# Altium PCB PCB1.PcbDoc (part 3 of 5) (continued)
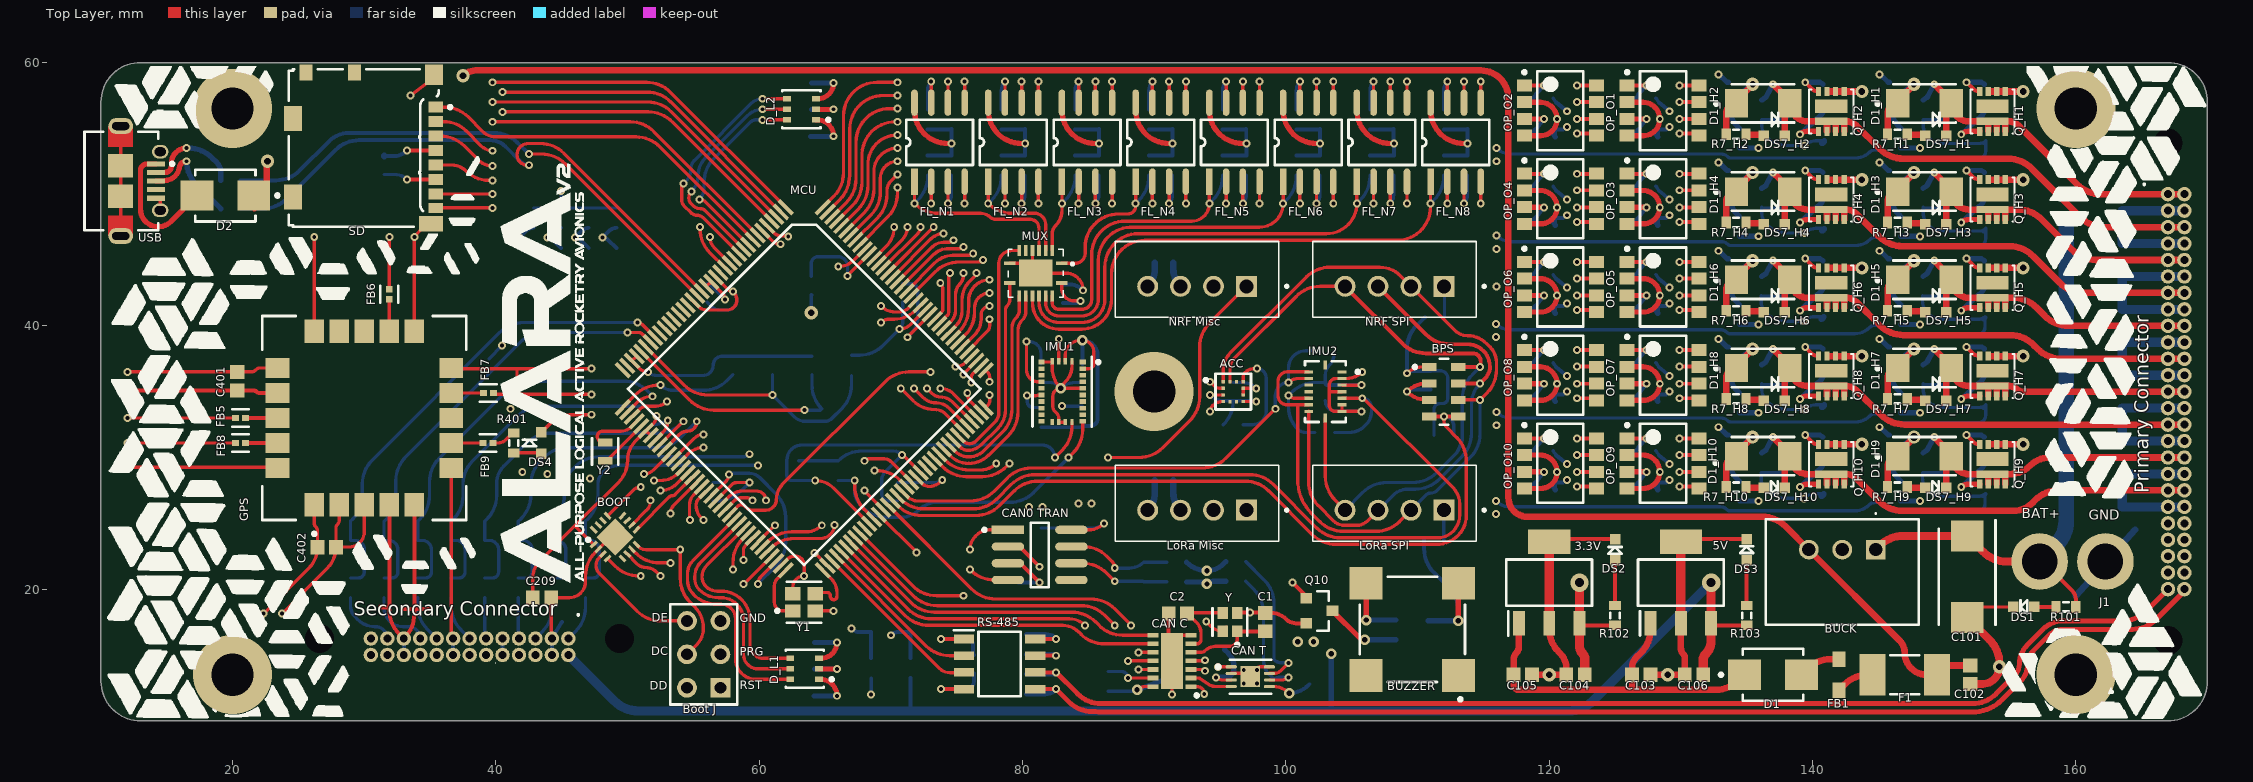
[diagram p0: Top Layer view]
## Nets (pads, with @x,y where several pads share a name; then routed paths per layer and width w, separated by ;. In a path a pad name is that pad's centre, name@x,y a point inside that pad or via, vN(x,y) a via of type N, cw(c..) or ccw(c..) an arc to the next point about the centre after c; other vN are vias at no path point) (continued)
  Top Layer w0.5: v1(137,58.35) 137.52,57.83 137.535,57.83 138.275,57.09 D1_H2.2@138.275,56.9 ; DS7_H2.1@137.9,54.5 137.9,56.525 cw(c138.275,56.525) D1_H2.2@138.275,56.9 ; Q_H2.2@141.1,54.777 141.1,55.403 Q_H2.10@141.229,55.532 ; Q_H2.3@141.75,54.777 141.75,55.403 Q_H2.10@141.621,55.532 ; Q_H2.4@142.4,54.777 142.4,55.403 142.271,55.532 ccw(c142.216,52.992) Q_H2.10@142.224,55.532 ; 168.25,47.5 167,47.5 162.152,47.5 cw(c162.152,50.04) 160.356,48.244 156.644,51.956 ccw(c154.848,50.16) 154.848,52.7 146.902,52.7 cw(c146.902,55.24) 145.106,53.444 143.35,55.2 ccw(c142.548,54.398) 142.548,55.532 Q_H2.10@142.224,55.532 ; D1_H2.2@138.275,56.9 ccw(c139.643,56.9) 139.643,55.532 Q_H2.10@141.229,55.532 ; Q_H2.10@141.229,55.532 Q_H2.10@141.425,55.532 Q_H2.10@141.621,55.532 ; Q_H2.10@141.621,55.532 Q_H2.10@142.224,55.532
  Bottom Layer w0.4: R8_H2.2@136.15,57.15 136.45,57.35 v1(137,58.35)
"HPO D3": "Primary Connector.5" "Primary Connector.30" D1_H3.2 DS7_H3.1 Q_H3.2 Q_H3.3 Q_H3.4 Q_H3.10 R8_H3.2 | length 29.2
  Top Layer w0.5: v1(149.25,51.65) 149.77,51.13 149.785,51.13 150.525,50.39 D1_H3.2@150.525,50.2 ; DS7_H3.1@150.15,47.8 150.15,49.825 cw(c150.525,49.825) D1_H3.2@150.525,50.2 ; Q_H3.2@153.35,48.077 153.35,48.703 Q_H3.10@153.479,48.832 ; Q_H3.3@154,48.077 154,48.703 Q_H3.10@153.871,48.832 ; Q_H3.10@154.644,48.862 Q_H3.10@153.675,48.832 ; Q_H3.4@154.65,48.077 Q_H3.10@154.65,48.703 ; 168.25,45 167,45 161.552,45 cw(c161.552,47.54) 159.756,45.744 157.412,48.088 ccw(c155.616,46.292) 155.616,48.832 Q_H3.10@153.871,48.832 ; D1_H3.2@150.525,50.2 ccw(c151.893,50.2) 151.893,48.832 Q_H3.10@153.479,48.832 ; Q_H3.10@153.479,48.832 Q_H3.10@153.675,48.832 ; Q_H3.10@153.675,48.832 Q_H3.10@153.871,48.832
  Bottom Layer w0.4: R8_H3.2@148.4,50.45 148.7,50.65 v1(149.25,51.65)
"HPO D4": "Primary Connector.7" "Primary Connector.32" D1_H4.2 DS7_H4.1 Q_H4.2 Q_H4.3 Q_H4.4 Q_H4.10 R8_H4.2 | length 41.6
  Top Layer w0.5: v1(137,51.65) 137.52,51.13 137.535,51.13 138.275,50.39 D1_H4.2@138.275,50.2 ; DS7_H4.1@137.9,47.8 137.9,49.825 cw(c138.275,49.825) D1_H4.2@138.275,50.2 ; Q_H4.2@141.1,48.077 141.1,48.703 Q_H4.10@141.229,48.832 ; Q_H4.3@141.75,48.077 141.75,48.703 Q_H4.10@141.621,48.832 ; Q_H4.4@142.4,48.077 142.4,48.703 142.271,48.832 ccw(c142.216,46.292) Q_H4.10@142.224,48.832 ; 168.25,42.5 167,42.5 160.602,42.5 cw(c160.602,45.04) 158.806,43.244 156.744,45.306 ccw(c154.948,43.51) 154.948,46.05 146.852,46.05 cw(c146.852,48.59) 145.056,46.794 143.35,48.5 ccw(c142.548,47.698) 142.548,48.832 Q_H4.10@142.224,48.832 ; D1_H4.2@138.275,50.2 ccw(c139.643,50.2) 139.643,48.832 Q_H4.10@141.229,48.832 ; Q_H4.10@141.229,48.832 Q_H4.10@141.425,48.832 Q_H4.10@141.621,48.832 ; Q_H4.10@141.621,48.832 Q_H4.10@142.224,48.832
  Bottom Layer w0.4: R8_H4.2@136.15,50.45 136.45,50.65 v1(137,51.65)
"HPO D5": "Primary Connector.9" "Primary Connector.34" D1_H5.2 DS7_H5.1 Q_H5.2 Q_H5.3 Q_H5.4 Q_H5.10 R8_H5.2 | length 27.5
  Top Layer w0.5: v1(149.25,44.95) 149.77,44.43 149.785,44.43 150.525,43.69 D1_H5.2@150.525,43.5 ; DS7_H5.1@150.15,41.1 150.15,43.125 cw(c150.525,43.125) D1_H5.2@150.525,43.5 ; Q_H5.2@153.35,41.377 153.35,42.003 Q_H5.10@153.479,42.132 ; Q_H5.3@154,41.377 154,42.003 Q_H5.10@153.871,42.132 ; Q_H5.4@154.65,41.377 Q_H5.10@154.65,42.003 ; 168.25,40 167,40 159.452,40 cw(c159.452,42.54) 157.656,40.744 157.012,41.388 ccw(c155.216,39.592) 155.216,42.132 Q_H5.10@153.871,42.132 ; D1_H5.2@150.525,43.5 ccw(c151.893,43.5) 151.893,42.132 Q_H5.10@153.479,42.132 ; Q_H5.10@153.479,42.132 Q_H5.10@153.675,42.132 Q_H5.10@153.871,42.132
  Bottom Layer w0.4: R8_H5.2@148.4,43.75 148.7,43.95 v1(149.25,44.95)
"HPO D6": "Primary Connector.11" "Primary Connector.36" D1_H6.2 DS7_H6.1 Q_H6.2 Q_H6.3 Q_H6.4 Q_H6.10 R8_H6.2 | length 40.9
  Top Layer w0.5: v1(137,44.95) 137.52,44.43 137.535,44.43 138.275,43.69 D1_H6.2@138.275,43.5 ; DS7_H6.1@137.9,41.1 137.9,43.125 cw(c138.275,43.125) D1_H6.2@138.275,43.5 ; Q_H6.2@141.1,41.377 141.1,42.003 Q_H6.10@141.229,42.132 ; Q_H6.3@141.75,41.377 141.75,42.003 Q_H6.10@141.621,42.132 ; Q_H6.4@142.4,41.377 142.4,42.003 142.271,42.132 ccw(c142.216,39.592) Q_H6.10@142.224,42.132 ; 168.25,37.5 167,37.5 158.902,37.5 cw(c158.902,40.04) 157.106,38.244 156.794,38.556 ccw(c154.998,36.76) 154.998,39.3 146.902,39.3 cw(c146.902,41.84) 145.106,40.044 143.35,41.8 ccw(c142.548,40.998) 142.548,42.132 Q_H6.10@142.224,42.132 ; D1_H6.2@138.275,43.5 ccw(c139.643,43.5) 139.643,42.132 Q_H6.10@141.229,42.132 ; Q_H6.10@141.229,42.132 Q_H6.10@141.425,42.132 Q_H6.10@141.621,42.132 ; Q_H6.10@141.621,42.132 Q_H6.10@142.224,42.132
  Bottom Layer w0.4: R8_H6.2@136.15,43.75 136.45,43.95 v1(137,44.95)
"HPO D7": "Primary Connector.13" "Primary Connector.38" D1_H7.2 DS7_H7.1 Q_H7.2 Q_H7.3 Q_H7.4 Q_H7.10 R8_H7.2 | length 27.2
  Top Layer w0.5: v1(149.25,38.25) 149.77,37.73 149.785,37.73 150.525,36.99 D1_H7.2@150.525,36.8 ; DS7_H7.1@150.15,34.4 150.15,36.425 cw(c150.525,36.425) D1_H7.2@150.525,36.8 ; Q_H7.2@153.35,34.677 153.35,35.303 Q_H7.10@153.479,35.432 ; Q_H7.3@154,34.677 154,35.303 Q_H7.10@153.871,35.432 ; Q_H7.4@154.65,34.677 154.65,35.303 154.521,35.432 ccw(c154.466,32.892) Q_H7.10@154.474,35.432 ; 168.25,35 167,35 155.983,35 cw(c155.983,35.683) 155.5,35.2 ccw(c154.939,34.639) 154.939,35.432 Q_H7.10@154.474,35.432 ; D1_H7.2@150.525,36.8 ccw(c151.893,36.8) 151.893,35.432 Q_H7.10@153.479,35.432 ; Q_H7.10@153.479,35.432 Q_H7.10@153.675,35.432 Q_H7.10@153.871,35.432 ; Q_H7.10@153.871,35.432 Q_H7.10@154.474,35.432
  Bottom Layer w0.4: R8_H7.2@148.4,37.05 148.7,37.25 v1(149.25,38.25)
"HPO D8": "Primary Connector.15" "Primary Connector.40" D1_H8.2 DS7_H8.1 Q_H8.2 Q_H8.3 Q_H8.4 Q_H8.10 R8_H8.2 | length 40.4
  Top Layer w0.5: v1(137,38.25) 137.52,37.73 137.535,37.73 138.275,36.99 D1_H8.2@138.275,36.8 ; DS7_H8.1@137.9,34.4 137.9,36.425 cw(c138.275,36.425) D1_H8.2@138.275,36.8 ; Q_H8.2@141.1,34.677 141.1,35.303 Q_H8.10@141.229,35.432 ; Q_H8.3@141.75,34.677 141.75,35.303 Q_H8.10@141.621,35.432 ; Q_H8.4@142.4,34.677 142.4,35.303 142.271,35.432 ccw(c142.216,32.892) Q_H8.10@142.224,35.432 ; 168.25,32.5 167,32.5 147.002,32.5 cw(c147.002,35.04) 145.206,33.244 143.35,35.1 ccw(c142.548,34.298) 142.548,35.432 Q_H8.10@142.224,35.432 ; D1_H8.2@138.275,36.8 ccw(c139.643,36.8) 139.643,35.432 Q_H8.10@141.229,35.432 ; Q_H8.10@141.229,35.432 Q_H8.10@141.425,35.432 Q_H8.10@141.621,35.432 ; Q_H8.10@141.621,35.432 Q_H8.10@142.224,35.432
  Bottom Layer w0.4: R8_H8.2@136.15,37.05 136.45,37.25 v1(137,38.25)
"HPO D9": "Primary Connector.17" "Primary Connector.42" D1_H9.2 DS7_H9.1 Q_H9.2 Q_H9.3 Q_H9.4 Q_H9.10 R8_H9.2 | length 27.4
  Top Layer w0.5: v1(149.25,31.55) 149.77,31.03 149.785,31.03 150.525,30.29 D1_H9.2@150.525,30.1 ; DS7_H9.1@150.15,27.7 150.15,29.725 cw(c150.525,29.725) D1_H9.2@150.525,30.1 ; Q_H9.2@153.35,27.977 153.35,28.603 Q_H9.10@153.479,28.732 ; Q_H9.3@154,27.977 154,28.603 Q_H9.10@153.871,28.732 ; Q_H9.4@154.65,27.977 154.65,28.603 154.521,28.732 ccw(c154.466,26.192) Q_H9.10@154.474,28.732 ; 168.25,30 167,30 157.999,30 ccw(c157.999,27.951) 156.55,29.4 cw(c154.938,31.012) 154.938,28.732 Q_H9.10@154.474,28.732 ; D1_H9.2@150.525,30.1 ccw(c151.893,30.1) 151.893,28.732 Q_H9.10@153.479,28.732 ; Q_H9.10@153.479,28.732 Q_H9.10@153.675,28.732 Q_H9.10@153.871,28.732 ; Q_H9.10@153.871,28.732 Q_H9.10@154.474,28.732
  Bottom Layer w0.4: R8_H9.2@148.4,30.35 148.7,30.55 v1(149.25,31.55)
"HPO D10": "Primary Connector.19" "Primary Connector.44" D1_H10.2 DS7_H10.1 Q_H10.2 Q_H10.3 Q_H10.4 Q_H10.10 R8_H10.2 | length 40.8
  Top Layer w0.5: v1(137,31.55) 137.52,31.03 137.535,31.03 138.275,30.29 D1_H10.2@138.275,30.1 ; DS7_H10.1@137.9,27.7 137.9,29.725 cw(c138.275,29.725) D1_H10.2@138.275,30.1 ; Q_H10.2@141.1,27.977 141.1,28.603 Q_H10.10@141.229,28.732 ; Q_H10.3@141.75,27.977 141.75,28.603 Q_H10.10@141.621,28.732 ; Q_H10.4@142.4,27.977 142.4,28.603 142.271,28.732 ccw(c142.216,26.192) Q_H10.10@142.224,28.732 ; 168.25,27.5 167,27.5 158.702,27.5 ccw(c158.702,24.96) 156.906,26.756 156.7,26.55 cw(c155.251,27.999) 155.251,25.95 146.852,25.95 cw(c146.852,28.49) 145.056,26.694 143.35,28.4 ccw(c142.548,27.598) 142.548,28.732 Q_H10.10@142.224,28.732 ; D1_H10.2@138.275,30.1 ccw(c139.643,30.1) 139.643,28.732 Q_H10.10@141.229,28.732 ; Q_H10.10@141.229,28.732 Q_H10.10@141.425,28.732 Q_H10.10@141.621,28.732 ; Q_H10.10@141.621,28.732 Q_H10.10@142.224,28.732
  Bottom Layer w0.4: R8_H10.2@136.15,30.35 136.45,30.55 v1(137,31.55)
"HPO DIG1": MCU.144 R2_O1.2 | length 75.6
  Top Layer w0.254: MCU.144@64.828,49 65.656,49.828 ccw(c63.86,51.624) 66.4,51.624 66.4,55.96 cw(c68.94,55.96) 68.94,58.5 v1(70.5,58.5)
  Layer 1 w0.254: v1(70.5,58.5) 70.756,58.756 cw(c72.552,56.96) 72.552,59.5 126.61,59.5 cw(c126.61,56.96) 129.15,56.96 v1(129.15,56.3)
  Bottom Layer w0.254: R2_O1.2@128.1,57.3 R2_O1.2@128.323,56.977
  Bottom Layer w0.3: R2_O1.2@128.323,56.977 v1(129.15,56.3)
"HPO DIG2": MCU.143 R2_O2.2 | length 64.7
  Top Layer w0.254: MCU.143@65.182,48.646 66.106,49.571 ccw(c64.31,51.367) 66.841,51.158 cw(c67.095,51.136) 66.843,51.173 ccw(c63.86,51.624) 66.877,51.624 66.877,54.96 cw(c69.417,54.96) 69.417,57.5 v1(70.5,57.5)
  Layer 1 w0.254: v1(70.5,57.5) cw(c71.104,56.896) 71.104,57.75 114.752,57.75 cw(c114.752,55.702) 116.2,57.15 ccw(c117.649,58.599) 117.649,56.55 120.746,56.55 cw(c120.746,55.696) v1(121.35,56.3)
  Bottom Layer w0.254: R2_O2.2@120.3,57.3 R2_O2.2@120.523,56.977
  Bottom Layer w0.3: R2_O2.2@120.523,56.977 v1(121.35,56.3)
"HPO DIG3": MCU.142 R2_O3.2 | length 77.3
  Top Layer w0.254: MCU.142@65.536,48.293 66.606,49.363 ccw(c64.81,51.159) 67.35,51.159 67.35,53.96 cw(c69.89,53.96) 69.89,56.5 v1(70.5,56.5)
  Layer 1 w0.254: v1(70.5,56.5) 70.506,56.506 cw(c72.302,54.71) 72.302,57.25 112.057,57.25 cw(c112.057,54.817) 113.778,56.537 114.381,55.934 cw(c112.644,54.198) 115.1,54.198 115.1,52.5 ccw(c115.85,52.5) 115.85,51.75 117.464,51.75 ccw(c117.464,53.286) 118.55,52.2 cw(c119.274,51.476) 119.274,52.5 127.4,52.5 cw(c127.4,50.75) 129.15,50.75 v1(129.15,49.6)
  Bottom Layer w0.254: R2_O3.2@128.1,50.6 R2_O3.2@128.323,50.277
  Bottom Layer w0.3: R2_O3.2@128.323,50.277 v1(129.15,49.6)
"HPO DIG4": MCU.141 R2_O4.2 | length 67.7
  Top Layer w0.254: MCU.141@66.33,48.38 MCU.141@65.889,47.939 67.06,49.11 ccw(c65.264,50.906) 67.804,50.906 67.804,53.096 cw(c68.058,53.095) 67.804,53.109 cw(c70.34,52.96) 70.34,55.5 v1(70.5,55.5)
  Layer 1 w0.254: v1(70.5,55.5) 71.052,56.052 cw(c72.848,54.256) 72.848,56.796 112.055,56.796 cw(c112.055,56.542) 112.09,56.794 112.555,56.73 cw(c112.521,56.478) 112.629,56.708 cw(c111.548,54.41) 113.345,56.205 113.394,56.156 113.964,55.586 cw(c112.427,54.05) 114.6,54.05 114.6,52.4 ccw(c116.4,52.4) 116.4,50.6 117.002,50.6 119.55,50.6 cw(c119.55,48.669) 120.916,50.034 v1(121.35,49.6)
  Bottom Layer w0.254: R2_O4.2@120.3,50.6 R2_O4.2@120.523,50.277
  Bottom Layer w0.3: R2_O4.2@120.523,50.277 v1(121.35,49.6)
"HPO DIG5": MCU.140 R2_O5.2 | length 78.6
  Top Layer w0.254: MCU.140@66.243,47.586 66.68,48.03 67.514,48.864 ccw(c65.718,50.66) 68.258,50.66 68.258,52.43 cw(c68.512,52.429) 68.259,52.45 cw(c70.5,52.25) v1(70.5,54.5)
  Layer 1 w0.254: v1(70.5,54.5) 71.575,55.575 cw(c73.371,53.779) 73.371,56.319 106.093,56.319 cw(c106.093,54.017) 107.72,55.645 108.19,55.175 109.356,54.009 cw(c107.56,52.213) 110.1,52.213 110.1,49.5 ccw(c111.05,49.5) 111.05,48.55 cw(c111.05,46.377) 112.586,47.914 114.993,45.507 ccw(c116.7,47.214) 116.7,44.8 117.205,44.8 ccw(c117.205,45.995) 118.05,45.15 cw(c119.257,43.943) 119.257,45.65 127.4,45.65 cw(c127.4,43.9) 129.15,43.9 v1(129.15,42.9)
  Bottom Layer w0.254: R2_O5.2@128.1,43.9 R2_O5.2@128.323,43.577
  Bottom Layer w0.3: R2_O5.2@128.323,43.577 v1(129.15,42.9)
"HPO DIG6": MCU.139 R2_O6.2 | length 68.4
  Top Layer w0.254: MCU.139@66.596,47.232 67.968,48.604 ccw(c66.172,50.4) 68.712,50.4 68.712,51.907 68.714,51.923 cw(c70.5,51.7) v1(70.5,53.5)
  Layer 1 w0.254: v1(70.5,53.5) 72.121,55.121 cw(c73.917,53.325) 73.917,55.865 100.781,55.865 cw(c100.781,53.44) 102.495,55.155 103.1,54.55 103.856,53.794 cw(c102.06,51.998) 104.6,51.998 104.6,49.4 ccw(c106,49.4) 106,48 110.698,48 cw(c110.698,45.46) 112.494,47.256 114.806,44.944 ccw(c116.602,46.74) 116.602,44.2 118.998,44.2 cw(c118.998,41.66) 120.794,43.456 v1(121.35,42.9)
  Bottom Layer w0.254: R2_O6.2@120.3,43.9 R2_O6.2@120.523,43.577
  Bottom Layer w0.3: R2_O6.2@120.523,43.577 v1(121.35,42.9)
"HPO DIG7": MCU.138 R2_O7.2 | length 82.9
  Top Layer w0.254: MCU.138@66.95,46.879 68.456,48.385 ccw(c66.66,50.181) 69.2,50.181 69.2,51.2 cw(c70.5,51.2) v1(70.5,52.5)
  Layer 1 w0.254: v1(70.5,52.5) 72.667,54.667 cw(c74.463,52.871) 74.463,55.411 95.692,55.411 cw(c95.692,53.004) 97.394,54.706 98.156,53.944 cw(c96.36,52.148) 98.9,52.148 98.9,49.3 ccw(c100.75,49.3) 100.75,47.45 110.498,47.45 cw(c110.498,44.91) 112.294,46.706 114.506,44.494 cw(c112.71,42.698) 115.25,42.698 115.25,38.9 ccw(c116.1,38.9) 116.1,38.05 117.205,38.05 ccw(c117.205,39.245) 118.05,38.4 cw(c119.257,37.193) 119.257,38.9 127.35,38.9 cw(c127.35,37.1) 129.15,37.1 v1(129.15,36.2)
  Bottom Layer w0.254: R2_O7.2@128.1,37.2 R2_O7.2@128.323,36.877
  Bottom Layer w0.3: R2_O7.2@128.323,36.877 v1(129.15,36.2)
"HPO DIG8": MCU.137 R2_O8.2 | length 72.7
  Top Layer w0.254: MCU.137@67.303,46.525 68.956,48.178 ccw(c67.16,49.974) 69.7,49.974 69.7,50.3 cw(c70.666,50.3) 69.983,50.983 v1(70.5,51.5)
  Layer 1 w0.254: v1(70.5,51.5) 73.156,54.156 cw(c74.952,52.36) 74.952,54.9 90.548,54.9 cw(c90.548,52.36) 92.344,54.156 92.556,53.944 cw(c90.76,52.148) 93.3,52.148 93.3,49.15 ccw(c95.55,49.15) 95.55,46.9 110.341,46.9 cw(c110.341,44.36) 112.137,46.156 112.921,45.371 114.149,44.144 cw(c112.71,42.698) 114.7,43.146 cw(c114.407,43.081) 114.701,43.14 cw(c112.21,42.646) 114.75,42.646 114.75,39 ccw(c116.802,39) 115.351,37.549 115.506,37.394 ccw(c117.302,39.19) 117.302,36.65 120.264,36.65 cw(c120.264,35.114) v1(121.35,36.2)
  Bottom Layer w0.254: R2_O8.2@120.3,37.2 R2_O8.2@120.523,36.877
  Bottom Layer w0.3: R2_O8.2@120.523,36.877 v1(121.35,36.2)
"HPO DIG9": MCU.126 R2_O9.2 | length 70.9
  Top Layer w0.254: MCU.126@71.192,42.636 73.345,44.789 cw(c74.7,43.434) 74.7,45.35 75.888,45.35 ccw(c75.888,45.862) v1(76.25,45.5)
  Layer 1 w0.254: v1(76.25,45.5) 76.406,45.656 cw(c78.202,43.86) 78.202,46.4 97.448,46.4 cw(c97.448,43.86) 99.244,45.656 107.55,37.35 cw(c106.222,36.022) 108.1,36.022 108.1,34.278 ccw(c109.978,34.278) 108.65,32.95 109.206,32.394 ccw(c111.002,34.19) 111.002,31.65 117.784,31.65 ccw(c117.784,33.016) 118.75,32.05 118.756,32.056 cw(c120.552,30.26) 120.552,32.8 126.61,32.8 cw(c126.61,30.26) 129.15,30.26 v1(129.15,29.5)
  Bottom Layer w0.254: R2_O9.2@128.1,30.5 R2_O9.2@128.323,30.177
  Bottom Layer w0.3: R2_O9.2@128.323,30.177 v1(129.15,29.5)
"HPO DIG10": MCU.125 R2_O10.2 | length 60.7
  Top Layer w0.254: MCU.125@71.546,42.283 73.369,44.106 cw(c75.166,42.31) 75.166,44.85 76.638,44.85 ccw(c76.638,45.362) v1(77,45)
  Layer 1 w0.254: v1(77,45) 77.081,45.081 cw(c78.877,43.285) 78.877,45.825 97.039,45.825 cw(c97.039,43.285) 98.835,45.081 106.656,37.26 cw(c104.86,35.464) 107.4,35.464 107.4,34.252 ccw(c109.94,34.252) 108.144,32.456 110.106,30.494 ccw(c111.902,32.29) 111.902,29.75 120.746,29.75 cw(c120.746,28.896) v1(121.35,29.5)
  Bottom Layer w0.254: R2_O10.2@120.3,30.5 R2_O10.2@120.523,30.177
  Bottom Layer w0.3: R2_O10.2@120.523,30.177 v1(121.35,29.5)
"HPO PWM1": MCU.136 R1_O1.2 | length 70.9
  Top Layer w0.254: MCU.136@67.657,46.172 69.756,48.271 ccw(c67.96,50.067) 70.5,50.067 v1(70.5,50.5)
  Top Middle Layer w0.254: v1(70.5,50.5) 108.248,50.5 ccw(c108.248,53.04) 110.044,51.244 116.956,58.156 cw(c118.752,56.36) 118.752,58.9 122.1,58.9 cw(c122.1,57.451) 123.124,58.476 126.256,55.344 ccw(c128.052,57.14) 128.052,54.6 128.25,54.6 ccw(c128.25,55.566) 128.933,54.883 v1(129.15,55.1)
  Bottom Layer w0.3: R1_O1.2@128.25,54.35 128.25,54.85 128.3,54.9 128.869,54.9 129.069,55.1 v1(129.15,55.1)
  Bottom Layer w0.4: R1_O1.2@128.1,54.6 R1_O1.2@128.25,54.35
"HPO PWM2": MCU.131 R1_O2.2 | length 59
  Top Layer w0.254: MCU.131@69.425,44.404 72.059,47.038 ccw(c71.596,47.5) v1(72.25,47.5)
  Top Middle Layer w0.254: v1(72.25,47.5) cw(c73.3,47.5) 73.3,48.55 109.5,48.55 ccw(c109.5,49.3) 110.25,49.3 110.25,49.584 cw(c111.616,49.584) 110.65,50.55 cw(c111.495,49.705) 111.495,50.9 111.7,50.9 ccw(c111.7,51.866) 112.383,51.183 115,53.8 cw(c115.966,52.834) 115.966,54.2 120.45,54.2 ccw(c120.45,55.1) v1(121.35,55.1)
  Bottom Layer w0.3: R1_O2.2@120.45,54.35 120.45,54.85 120.5,54.9 121.069,54.9 121.269,55.1 v1(121.35,55.1)
  Bottom Layer w0.4: R1_O2.2@120.3,54.6 R1_O2.2@120.45,54.35
"HPO PWM3": MCU.130 R1_O3.2 | length 65.9
  Top Layer w0.254: MCU.130@69.778,44.05 73.212,47.484 cw(c73.25,47.447) v1(73.25,47.5)
  Top Middle Layer w0.254: v1(73.25,47.5) cw(c74.578,46.172) 74.578,48.05 114.098,48.05 ccw(c114.098,50.59) 115.894,48.794 118.9,51.8 119.193,52.056 ; 119.193,52.056 cw(c119.389,51.829) 119.205,52.066 cw(c119.6,51.55) 119.519,52.195 ccw(c119.48,52.492) 119.553,52.202 cw(c119.936,50.714) 119.936,52.25 122.1,52.25 cw(c122.1,50.319) 123.466,51.684 126.44,48.71 ccw(c127.55,49.819) 127.55,48.25 128.788,48.25 ccw(c128.788,48.762) v1(129.15,48.4)
  Bottom Layer w0.3: R1_O3.2@128.25,47.65 128.25,48.15 128.3,48.2 128.869,48.2 129.069,48.4 v1(129.15,48.4)
  Bottom Layer w0.4: R1_O3.2@128.1,47.9 R1_O3.2@128.25,47.65
"HPO PWM4": MCU.129 R1_O4.2 | length 54.7
  Top Layer w0.254: MCU.129@70.132,43.697 73.035,46.6 cw(c74,45.636) v1(74,47)
  Top Middle Layer w0.254: v1(74,47) cw(c75.439,45.561) 75.439,47.596 114.098,47.596 ccw(c114.098,50.59) 114.245,47.6 cw(c114.259,47.346) 114.258,47.6 119.5,47.6 ccw(c119.498,50.14) 121.294,48.344 v1(121.35,48.4)
  Bottom Layer w0.3: R1_O4.2@120.45,47.65 120.45,48.15 120.5,48.2 121.069,48.2 121.269,48.4 v1(121.35,48.4)
  Bottom Layer w0.4: R1_O4.2@120.3,47.9 R1_O4.2@120.45,47.65
"HPO PWM5": MCU.127 R1_O5.2 | length 64.1
  Top Layer w0.254: MCU.127@70.839,42.99 73.31,45.461 cw(c74.25,44.52) 74.25,45.85 75.138,45.85 ccw(c75.138,46.362) v1(75.5,46)
  Top Middle Layer w0.254: v1(75.5,46) 75.906,46.406 cw(c77.702,44.61) 77.491,47.141 cw(c77.511,46.888) 77.51,47.142 112.306,47.142 cw(c112.306,44.602) 114.102,46.398 114.89,45.61 ccw(c116,46.719) 116,45.15 118.096,45.15 ccw(c118.096,46.004) 118.7,45.4 cw(c119.666,44.434) 119.666,45.8 121.9,45.8 cw(c121.9,43.627) 123.436,45.164 126.82,41.78 ccw(c127.386,42.345) 127.386,41.545 128.777,41.545 ccw(c128.777,42.073) v1(129.15,41.7)
  Bottom Layer w0.3: R1_O5.2@128.25,40.95 128.25,41.45 128.3,41.5 128.869,41.5 129.069,41.7 v1(129.15,41.7)
  Bottom Layer w0.4: R1_O5.2@128.1,41.2 R1_O5.2@128.25,40.95
"HPO PWM6": MCU.109 R1_O6.2 | length 52.2
  Top Layer w0.254: MCU.109@77.203,36.626 77.338,36.49 cw(c76.949,36.1) 77.5,36.1 v1(77.5,35.75)
  Top Middle Layer w0.254: v1(77.5,35.75) 81.056,32.194 ccw(c82.852,33.99) 82.852,31.45 96.848,31.45 ccw(c96.848,33.99) 98.644,32.194 106.856,40.406 cw(c108.652,38.61) 108.652,41.15 120.022,41.15 ccw(c120.022,43.028) v1(121.35,41.7)
  Bottom Layer w0.3: R1_O6.2@120.45,40.95 120.45,41.45 120.5,41.5 121.069,41.5 121.269,41.7 v1(121.35,41.7)
  Bottom Layer w0.4: R1_O6.2@120.3,41.2 R1_O6.2@120.45,40.95
"HPO PWM7": MCU.106 R1_O7.2 | length 67.3
  Top Layer w0.254: v1(73.75,35.25) cw(c73.75,33.836) 74.75,34.836 MCU.106@76.496,33.09
  Top Middle Layer w0.254: v1(73.75,35.25) 77.506,31.494 ccw(c79.302,33.29) 79.302,30.75 97.598,30.75 ccw(c97.598,33.29) 99.394,31.494 104.906,37.006 cw(c106.702,35.21) 106.702,37.75 117.201,37.75 ccw(c117.201,39.799) 118.65,38.35 cw(c119.857,37.143) 119.857,38.85 122.1,38.85 cw(c122.1,37.281) 123.21,38.39 126.555,35.045 ccw(c127.75,36.24) 127.75,34.55 128.064,34.55 ccw(c128.064,36.086) v1(129.15,35)
  Bottom Layer w0.3: R1_O7.2@128.25,34.25 128.25,34.75 128.3,34.8 128.869,34.8 129.069,35 v1(129.15,35)
  Bottom Layer w0.4: R1_O7.2@128.1,34.5 R1_O7.2@128.25,34.25
"HPO PWM8": MCU.104 R1_O8.2 | length 60.6
  Top Layer w0.254: v1(71.75,35.25) 72.426,34.574 ccw(c73.45,35.599) 73.45,34.15 cw(c73.45,32.77) 74.426,33.746 MCU.104@75.789,32.383
  Top Middle Layer w0.254: v1(71.75,35.25) 76.006,30.994 ccw(c77.802,32.79) 77.802,30.25 79.934,30.25 cw(c79.934,28.884) 80.9,29.85 ccw(c82.228,31.178) 82.228,29.3 98.748,29.3 ccw(c98.748,31.84) 100.544,30.044 102.156,31.656 cw(c103.952,29.86) 103.952,32.4 112.648,32.4 ccw(c112.648,34.94) 114.444,33.144 115.306,34.006 cw(c117.102,32.21) 117.102,34.75 120.746,34.75 ccw(c120.746,35.604) v1(121.35,35)
  Bottom Layer w0.3: R1_O8.2@120.45,34.25 120.45,34.75 120.5,34.8 121.069,34.8 121.269,35 v1(121.35,35)
  Bottom Layer w0.4: R1_O8.2@120.3,34.5 R1_O8.2@120.45,34.25
"HPO PWM9": MCU.98 R1_O9.2 | length 59
  Top Layer w0.254: MCU.98@73.667,30.262 74.135,29.794 ccw(c75.931,31.59) 75.931,29.05 76.793,29.05 ccw(c76.793,30.757) v1(78,29.55)
  Top Middle Layer w0.254: v1(78,29.55) 79.306,28.244 ccw(c81.102,30.04) 81.102,27.5 120.355,27.5 120.967,27.5 cw(c120.967,26.817) 121.45,27.3 ccw(c121.933,27.783) 121.933,27.1 122.1,27.1 ccw(c122.1,28.79) 123.295,27.595 123.65,27.95 cw(c124.133,27.467) 124.133,28.15 128.788,28.15 ccw(c128.788,28.662) v1(129.15,28.3)
  Bottom Layer w0.3: R1_O9.2@128.25,27.55 128.25,28.05 128.3,28.1 128.869,28.1 129.069,28.3 v1(129.15,28.3)
  Bottom Layer w0.4: R1_O9.2@128.1,27.8 R1_O9.2@128.25,27.55
"HPO PWM10": MCU.97 R1_O10.2 | length 51.2
  Top Layer w0.254: MCU.97@73.314,29.908 73.928,29.294 ccw(c75.724,31.09) 75.724,28.55 76.948,28.55 ccw(c76.948,31.09) 78.744,29.294 v1(79,29.55) v1@79,29.5
  Top Middle Layer w0.254: v1(79,29.55) 79.756,28.794 ccw(c81.552,30.59) 81.552,28.05 120.746,28.05 ccw(c120.746,28.904) v1(121.35,28.3)
  Bottom Layer w0.3: R1_O10.2@120.45,27.55 120.45,28.05 120.5,28.1 121.069,28.1 121.269,28.3 v1(121.35,28.3)
  Bottom Layer w0.4: R1_O10.2@120.3,27.8 R1_O10.2@120.45,27.55
"HPO VD1": C_H1.2 MCU.133 R8_H1.1 R9_H1.2 | length 100
  Top Layer w0.254: MCU.133@68.717,45.111 69.644,46.038 ccw(c68.182,47.5) v1(70.25,47.5)
  Layer 2 w0.254: v1(70.25,47.5) 70.25,47.898 cw(c72.79,47.898) 70.994,49.694 73.306,52.006 cw(c75.102,50.21) 75.102,52.75 75.65,52.75 114.198,52.75 ccw(c114.198,55.29) 115.994,53.494 v1(116,53.5)
  Bottom Layer w0.254: v1(116,53.5) ccw(c117.086,54.586) 117.086,53.05 133.067,53.05 cw(c133.067,52.367) 133.55,52.85 ccw(c133.791,53.091) 133.791,52.75 143.264,52.75 ccw(c143.264,54.286) 144.35,53.2 cw(c144.785,52.765) 144.785,53.38 145.07,53.38 cw(c145.07,52.897) 145.411,53.239 145.7,52.95 ccw(c146.304,53.554) 146.304,52.7 152.6,52.7 ccw(c152.6,53.25) 153.15,53.25 C_H1.2@153.15,54.05 ; R9_H1.2@150.5,56.95 150.5,56.25 cw(c149.9,56.25) 149.9,55.65 R8_H1.1@148.4,55.65 148.4,55.266 ccw(c149.766,55.266) 148.8,54.3 ccw(c149.886,55.386) 149.886,53.85 152.667,53.85 ccw(c152.667,54.533) C_H1.2@153.15,54.05 ; C_H1.2@152.95,53.85 ccw(c152.95,54.05) C_H1.2@153.15,54.05
"HPO VD2": C_H2.2 MCU.132 R8_H2.1 R9_H2.2 | length 86.1
  Top Layer w0.254: MCU.132@69.071,44.757 70.851,46.538 ccw(c69.889,47.5) v1(71.25,47.5)
  Top Middle Layer w0.254: v1(116,52.5) cw(c117.328,51.172) 117.328,53.05 133.067,53.05 cw(c133.067,52.367) 133.55,52.85 ccw(c133.791,53.091) 133.791,52.75 137.9,52.75 ccw(c137.9,54.078) 138.839,53.139 v1(139.4,53.7)
  Layer 2 w0.254: v1(71.25,47.5) cw(c72.1,47.5) 72.1,48.35 115.15,48.35 ccw(c115.15,49.2) 116,49.2 v1(116,52.5)
  Bottom Layer w0.254: R9_H2.2@138.25,56.95 138.25,56.25 cw(c137.65,56.25) 137.65,55.65 R8_H2.1@136.15,55.65 136.15,55.195 ccw(c137.345,55.195) 136.5,54.35 ccw(c138.069,55.919) 138.069,53.7 v1(139.4,53.7) cw(c140.245,52.855) 140.245,54.05 C_H2.2@140.9,54.05
  Bottom Layer w0.4: C_H2.2@140.7,53.85 ccw(c140.7,54.05) C_H2.2@140.9,54.05